# Altium PCB SEG_pressure gauge_don  V2.3.PcbDoc (part 2 of 4) (continued)
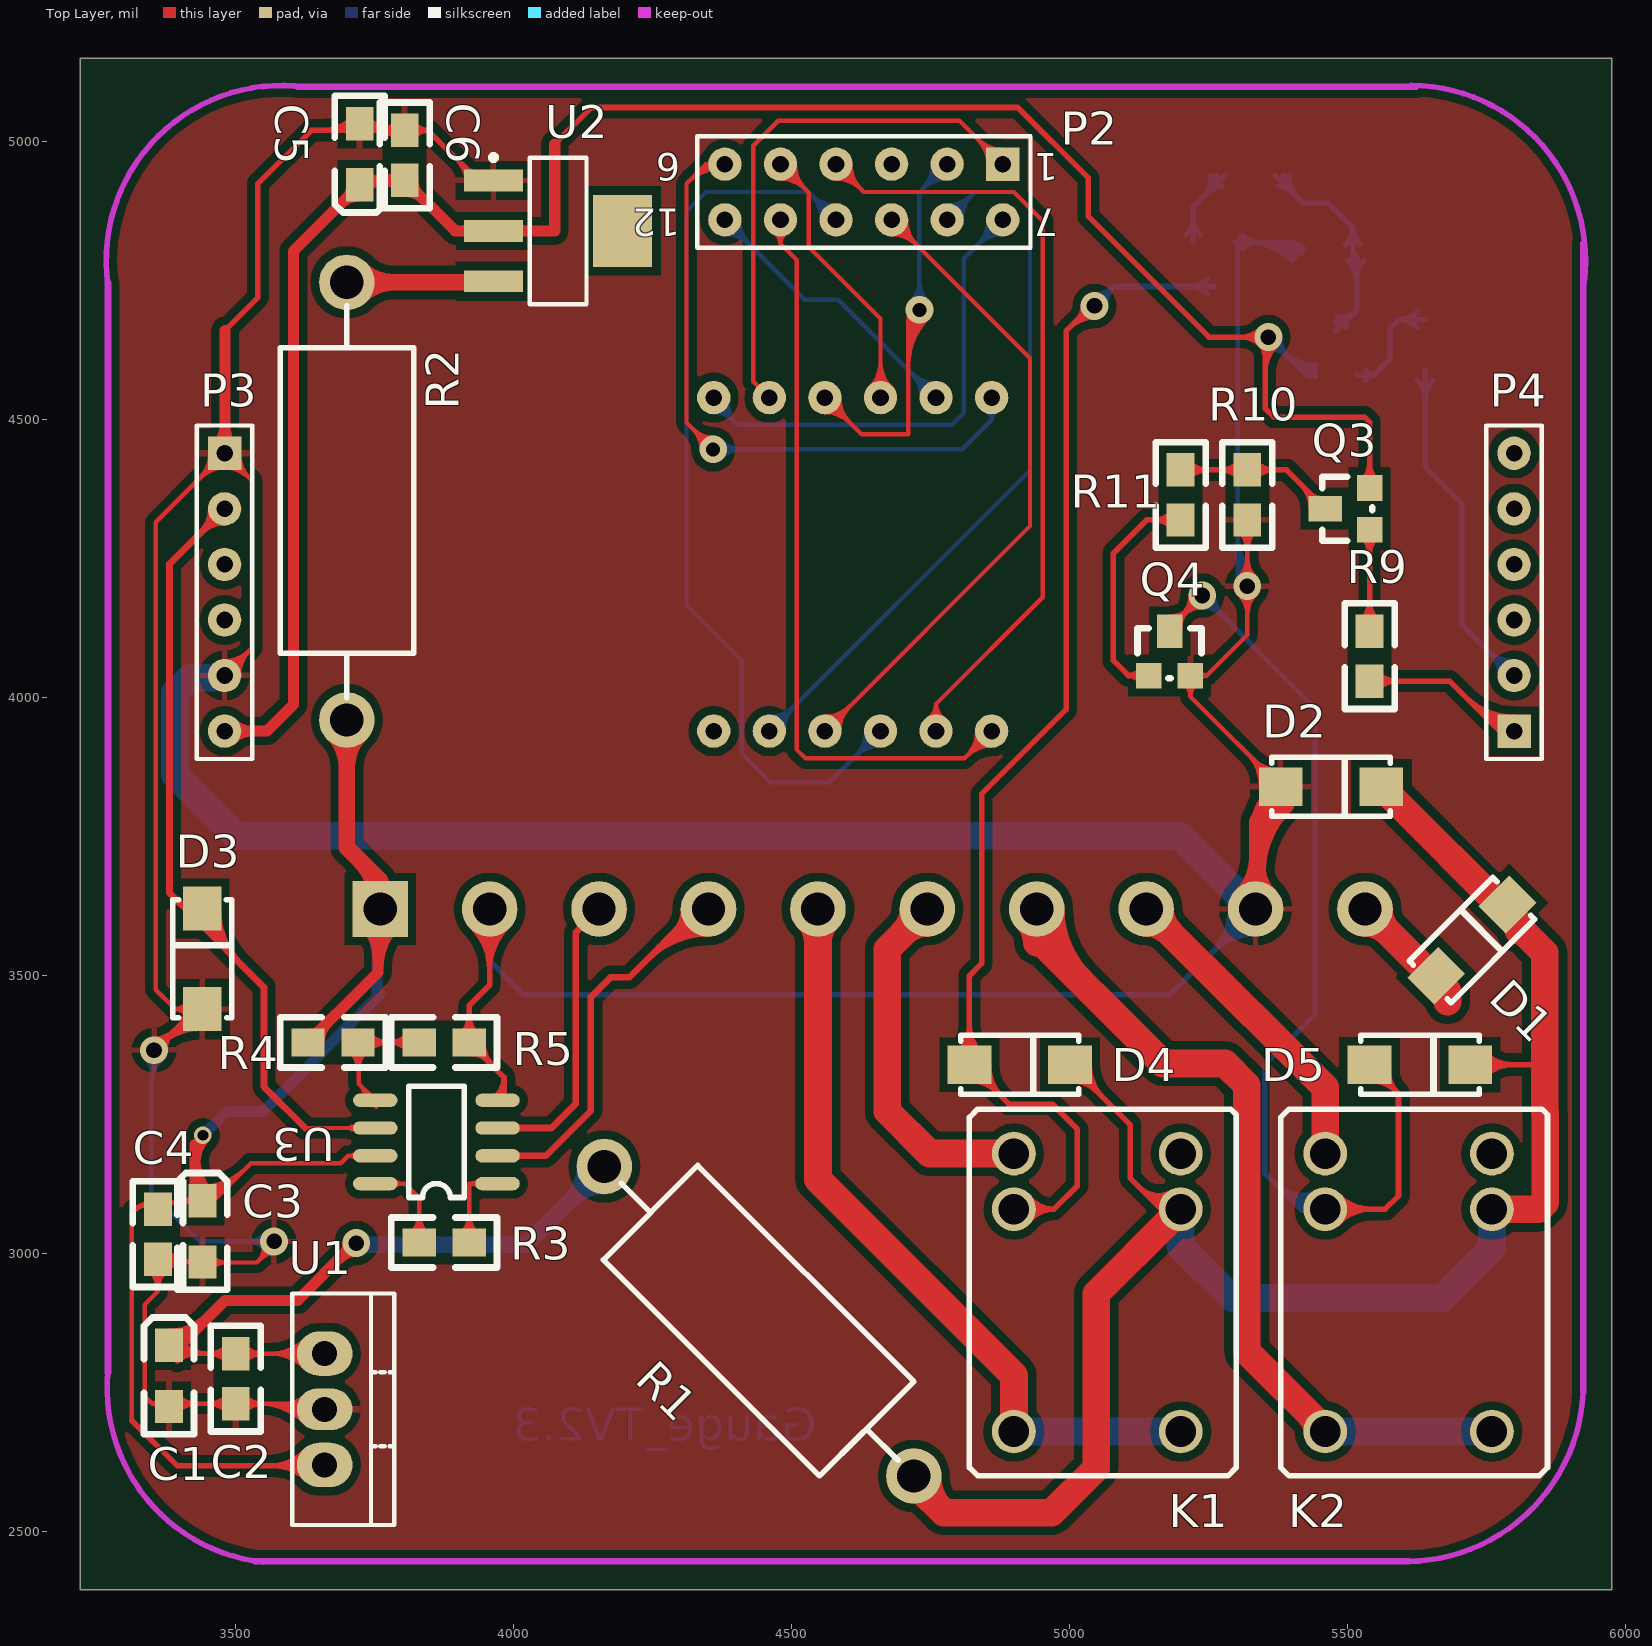
[diagram p0: Top Layer view]
## Nets (pads, with @x,y where several pads share a name; then routed paths per layer and width w, separated by ;. In a path a pad name is that pad's centre, name@x,y a point inside that pad or via, vN(x,y) a via of type N, cw(c..) or ccw(c..) an arc to the next point about the centre after c; other vN are vias at no path point) (continued)
  Top Layer w20: 3481,4471 3481,4661 ; P3.1@3465.86,4454.14 ccw(c3429.3,4490.7) 3481,4490.7 ; P3.1@3465.86,4454.14 ccw(c3429.3,4490.7) 3481,4490.7 ; P3.1@3465.86,4454.14 ccw(c3429.3,4490.7) 3481,4490.7 ; P3.1@3465.86,4454.14 ccw(c3429.3,4490.7) 3481,4490.7 ; P3.1@3465.86,4454.14 ccw(c3429.3,4490.7) 3481,4490.7 ; 3481,4485.87 ccw(c3525.87,4485.87) P3.1@3494.14,4454.14 ; 3481,4485.87 ccw(c3525.87,4485.87) P3.1@3494.14,4454.14 ; 3481,4485.87 ccw(c3525.87,4485.87) P3.1@3494.14,4454.14 ; 3481,4485.87 ccw(c3525.87,4485.87) P3.1@3494.14,4454.14 ; 3481,4485.87 ccw(c3525.87,4485.87) P3.1@3494.14,4454.14
  Top Layer w30: P1.9@5334.8,3620 5338,3623.2 5338,3778 D2.1@5380,3820 ; 5338,3683.53 cw(c5511.55,3683.53) D2.1@5388.83,3806.25 ; P1.9@5310.06,3644.75 ccw(c5242.59,3712.21) 5338,3712.21 ; P1.9@5310.06,3644.75 ccw(c5242.59,3712.21) 5338,3712.21 ; P1.9@5310.06,3644.75 ccw(c5242.59,3712.21) 5338,3712.21 ; P1.9@5310.06,3644.75 ccw(c5242.59,3712.21) 5338,3712.21 ; P1.9@5310.06,3644.75 ccw(c5242.59,3712.21) 5338,3712.21 ; 5338,3696.78 ccw(c5411.59,3696.78) P1.9@5359.55,3644.75 ; 5338,3696.78 ccw(c5411.59,3696.78) P1.9@5359.55,3644.75 ; 5338,3696.78 ccw(c5411.59,3696.78) P1.9@5359.55,3644.75 ; 5338,3696.78 ccw(c5411.59,3696.78) P1.9@5359.55,3644.75 ; 5338,3696.78 ccw(c5411.59,3696.78) P1.9@5359.55,3644.75 ; 5350.46,3790.46 ccw(c5324.89,3816.04) D2.1@5357.53,3831.62 ; 5350.46,3790.46 ccw(c5324.89,3816.04) D2.1@5357.53,3831.62 ; 5350.46,3790.46 ccw(c5324.89,3816.04) D2.1@5357.53,3831.62 ; 5338,3755.96 cw(c5439.12,3755.96) 5367.62,3827.46 ccw(c5439.12,3755.96) 5338,3755.96 ; 5340.46,3780.46 ccw(c5303.71,3817.21) 5355.64,3819.24 cw(c5303.71,3817.21) 5340.46,3780.46 ; 5350.28,3790.28 cw(c5375.08,3765.48) 5375.08,3800.55 ccw(c5375.08,3765.48) 5350.28,3790.28
  Bottom Layer w8: v1@3354,3368 3348,3362 3348,3109 3435,3022 v1(3569,3022) ; 3376,3860 3376,3966 3391,3951 ; 3431,4021 3446,4036 3465,4055 P3.5@3502,4055 ; 3440.91,4030.91 cw(c3465.38,4006.44) P3.5@3479.2,4038.17 ; 3788.57,3752 ccw(c3788.57,3797.43) 3820.69,3765.31 ; 5237.8,3717 P1.9@5334.8,3620 ; v1(5320,4201) 5302.5,4218.5 5302.5,4815 Q2.2@5297.5,4820 5400,4820 R7.1@5420,4800 ; P1.9@5334.8,3574 ccw(c5334.8,3462.95) 5256.28,3541.47 ccw(c5177.75,3620) P1.9@5288.8,3620 ; P1.9@5334.8,3582 ccw(c5334.8,3490.26) 5269.93,3555.13 ccw(c5205.06,3620) P1.9@5296.8,3620 ; P1.9@5334.8,3590 ccw(c5334.8,3517.57) 5283.59,3568.79 ccw(c5232.38,3620) P1.9@5304.8,3620 ; P1.9@5334.8,3598 ccw(c5334.8,3544.89) 5297.25,3582.44 ccw(c5259.69,3620) P1.9@5312.8,3620 ; v1@3338.15,3351.15 cw(c3314.37,3327.37) 3348,3327.37 ; v1@3338.15,3351.15 cw(c3314.37,3327.37) 3348,3327.37 ; v1@3338.15,3351.15 cw(c3314.37,3327.37) 3348,3327.37 ; 3348,3303.23 cw(c3415.77,3303.23) v1@3367.85,3351.15 ; 3348,3303.23 cw(c3415.77,3303.23) v1@3367.85,3351.15 ; 3348,3303.23 cw(c3415.77,3303.23) v1@3367.85,3351.15 ; 3348,3322.54 cw(c3396.46,3322.54) v1@3362.19,3356.81 ; 3348,3322.54 cw(c3396.46,3322.54) v1@3362.19,3356.81 ; 3348,3322.54 cw(c3396.46,3322.54) v1@3362.19,3356.81 ; 3518.3,3022 cw(c3518.3,2971.3) v1@3554.15,3007.15 ; 3518.3,3022 ccw(c3518.3,3072.7) v1@3554.15,3036.85 ; 3518.3,3022 cw(c3518.3,2971.3) v1@3554.15,3007.15 ; 3518.3,3022 ccw(c3518.3,3072.7) v1@3554.15,3036.85 ; 3518.3,3022 ccw(c3518.3,3072.7) v1@3554.15,3036.85 ; 3518.3,3022 cw(c3518.3,2971.3) v1@3554.15,3007.15 ; 3537.62,3022 cw(c3537.62,2990.62) v1@3559.81,3012.81 ; 3537.62,3022 ccw(c3537.62,3053.38) v1@3559.81,3031.19 ; 3537.62,3022 cw(c3537.62,2990.62) v1@3559.81,3012.81 ; 3537.62,3022 ccw(c3537.62,3053.38) v1@3559.81,3031.19 ; 3537.62,3022 ccw(c3537.62,3053.38) v1@3559.81,3031.19 ; 3537.62,3022 cw(c3537.62,2990.62) v1@3559.81,3012.81 ; 5256.28,3698.53 cw(c5177.75,3620) P1.9@5288.8,3620 ; 5256.28,3698.53 ccw(c5334.8,3777.05) P1.9@5334.8,3666 ; 5256.28,3698.53 cw(c5177.75,3620) P1.9@5288.8,3620 ; 5256.28,3698.53 ccw(c5334.8,3777.05) P1.9@5334.8,3666 ; 5256.28,3698.53 ccw(c5334.8,3777.05) P1.9@5334.8,3666 ; 5256.28,3698.53 ccw(c5334.8,3777.05) P1.9@5334.8,3666 ; 5256.28,3698.53 ccw(c5334.8,3777.05) P1.9@5334.8,3666 ; 5256.28,3698.53 cw(c5177.75,3620) P1.9@5288.8,3620 ; 5269.93,3684.87 cw(c5205.06,3620) P1.9@5296.8,3620 ; 5269.93,3684.87 ccw(c5334.8,3749.74) P1.9@5334.8,3658 ; 5269.93,3684.87 cw(c5205.06,3620) P1.9@5296.8,3620 ; 5269.93,3684.87 ccw(c5334.8,3749.74) P1.9@5334.8,3658 ; 5269.93,3684.87 ccw(c5334.8,3749.74) P1.9@5334.8,3658 ; 5269.93,3684.87 ccw(c5334.8,3749.74) P1.9@5334.8,3658 ; 5269.93,3684.87 ccw(c5334.8,3749.74) P1.9@5334.8,3658 ; 5269.93,3684.87 cw(c5205.06,3620) P1.9@5296.8,3620 ; 5283.59,3671.21 cw(c5232.38,3620) P1.9@5304.8,3620 ; 5283.59,3671.21 ccw(c5334.8,3722.43) P1.9@5334.8,3650 ; 5283.59,3671.21 cw(c5232.38,3620) P1.9@5304.8,3620 ; 5283.59,3671.21 ccw(c5334.8,3722.43) P1.9@5334.8,3650 ; 5283.59,3671.21 ccw(c5334.8,3722.43) P1.9@5334.8,3650 ; 5283.59,3671.21 ccw(c5334.8,3722.43) P1.9@5334.8,3650 ; 5283.59,3671.21 ccw(c5334.8,3722.43) P1.9@5334.8,3650 ; 5283.59,3671.21 cw(c5232.38,3620) P1.9@5304.8,3620 ; 5297.25,3657.56 cw(c5259.69,3620) P1.9@5312.8,3620 ; 5297.25,3657.56 ccw(c5334.8,3695.11) P1.9@5334.8,3642 ; 5297.25,3657.56 cw(c5259.69,3620) P1.9@5312.8,3620 ; 5297.25,3657.56 ccw(c5334.8,3695.11) P1.9@5334.8,3642 ; 5297.25,3657.56 cw(c5259.69,3620) P1.9@5312.8,3620 ; 5297.25,3657.56 ccw(c5334.8,3695.11) P1.9@5334.8,3642 ; 5297.25,3657.56 ccw(c5334.8,3695.11) P1.9@5334.8,3642 ; 5297.25,3657.56 cw(c5259.69,3620) P1.9@5312.8,3620 ; 5297.25,3657.56 ccw(c5334.8,3695.11) P1.9@5334.8,3642 ; 5297.25,3657.56 cw(c5259.69,3620) P1.9@5312.8,3620 ; 5302.5,4236.01 ccw(c5355.01,4236.01) v1@5317.88,4198.88 ; 5302.5,4236.01 ccw(c5355.01,4236.01) v1@5317.88,4198.88 ; 5302.5,4236.01 ccw(c5355.01,4236.01) v1@5317.88,4198.88 ; 5302.5,4255.32 ccw(c5374.32,4255.32) v1@5323.54,4204.54 ; 5302.5,4255.32 ccw(c5374.32,4255.32) v1@5323.54,4204.54 ; 5302.5,4255.32 ccw(c5374.32,4255.32) v1@5323.54,4204.54 ; 5302.5,4274.63 ccw(c5393.63,4274.63) v1@5329.19,4210.19 ; 5302.5,4274.63 ccw(c5393.63,4274.63) v1@5329.19,4210.19 ; 5302.5,4274.63 ccw(c5393.63,4274.63) v1@5329.19,4210.19 ; 5302.5,4293.95 ccw(c5412.95,4293.95) v1@5334.85,4215.85 ; 5302.5,4293.95 ccw(c5412.95,4293.95) v1@5334.85,4215.85 ; 5302.5,4293.95 ccw(c5412.95,4293.95) v1@5334.85,4215.85 ; Q2.2@5305.28,4812.22 cw(c5324.06,4793.44) 5324.06,4820 ; Q2.2@5305.28,4812.22 cw(c5324.06,4793.44) 5324.06,4820 ; Q2.2@5305.28,4812.22 cw(c5324.06,4793.44) 5324.06,4820 ; Q2.2@5305.28,4827.78 ccw(c5324.06,4846.56) 5324.06,4820 ; Q2.2@5305.28,4827.78 ccw(c5324.06,4846.56) 5324.06,4820 ; Q2.2@5305.28,4827.78 ccw(c5324.06,4846.56) 5324.06,4820 ; Q2.2@5310.94,4806.56 cw(c5343.37,4774.13) 5343.37,4820 ; Q2.2@5310.94,4806.56 cw(c5343.37,4774.13) 5343.37,4820 ; Q2.2@5310.94,4806.56 cw(c5343.37,4774.13) 5343.37,4820 ; Q2.2@5310.94,4833.44 ccw(c5343.37,4865.87) 5343.37,4820 ; Q2.2@5310.94,4833.44 ccw(c5343.37,4865.87) 5343.37,4820 ; Q2.2@5310.94,4833.44 ccw(c5343.37,4865.87) 5343.37,4820 ; Q2.2@5316.02,4820 cw(c5316.02,4701.02) R7.1@5400.15,4785.15 ; Q2.2@5316.02,4820 cw(c5316.02,4701.02) R7.1@5400.15,4785.15 ; Q2.2@5316.02,4820 cw(c5316.02,4701.02) R7.1@5400.15,4785.15 ; 5335.33,4820 cw(c5335.33,4720.33) R7.1@5405.81,4790.81 ; 5335.33,4820 cw(c5335.33,4720.33) R7.1@5405.81,4790.81 ; 5335.33,4820 cw(c5335.33,4720.33) R7.1@5405.81,4790.81 ; 5354.64,4820 cw(c5354.64,4739.64) R7.1@5411.46,4796.46 ; 5354.64,4820 cw(c5354.64,4739.64) R7.1@5411.46,4796.46 ; 5354.64,4820 cw(c5354.64,4739.64) R7.1@5411.46,4796.46 ; 5373.96,4820 cw(c5373.96,4758.96) R7.1@5417.12,4802.12 ; 5373.96,4820 cw(c5373.96,4758.96) R7.1@5417.12,4802.12 ; 5373.96,4820 cw(c5373.96,4758.96) R7.1@5417.12,4802.12 ; R7.1@5393.27,4820 cw(c5393.27,4778.27) R7.1@5422.78,4807.78 ; R7.1@5393.27,4820 cw(c5393.27,4778.27) R7.1@5422.78,4807.78 ; R7.1@5393.27,4820 cw(c5393.27,4778.27) R7.1@5422.78,4807.78 ; 3432.61,4022.61 cw(c3460.34,3994.87) 3476.01,4030.83 ccw(c3460.34,3994.87) 3432.61,4022.61 ; 3449.21,4039.21 cw(c3470.42,4018) 3482.4,4045.5 ccw(c3470.42,4018) 3449.21,4039.21
  Bottom Layer w10: P1.2@3956.85,3620 3956.85,3527.15 ; P1.9@5334.8,3620 5180.8,3466 4018,3466 3956.85,3527.15 ; P1.2@3928.97,3584.68 cw(c3883.57,3527.16) 3956.85,3527.16 ; P1.2@3928.97,3584.68 cw(c3883.57,3527.16) 3956.85,3527.16 ; P1.2@3928.97,3584.68 cw(c3883.57,3527.16) 3956.85,3527.16 ; P1.2@3928.97,3584.68 cw(c3883.57,3527.16) 3956.85,3527.16 ; P1.2@3935.17,3592.53 cw(c3899.85,3547.79) 3956.85,3547.79 ; P1.2@3935.17,3592.53 cw(c3899.85,3547.79) 3956.85,3547.79 ; P1.2@3935.17,3592.53 cw(c3899.85,3547.79) 3956.85,3547.79 ; P1.2@3935.17,3592.53 cw(c3899.85,3547.79) 3956.85,3547.79 ; P1.2@3941.36,3600.38 cw(c3916.14,3568.42) 3956.85,3568.42 ; P1.2@3941.36,3600.38 cw(c3916.14,3568.42) 3956.85,3568.42 ; P1.2@3941.36,3600.38 cw(c3916.14,3568.42) 3956.85,3568.42 ; P1.2@3941.36,3600.38 cw(c3916.14,3568.42) 3956.85,3568.42 ; 3956.85,3527.16 cw(c4030.13,3527.16) P1.2@3984.73,3584.68 ; 3956.85,3527.16 cw(c4030.13,3527.16) P1.2@3984.73,3584.68 ; 3956.85,3527.16 cw(c4030.13,3527.16) P1.2@3984.73,3584.68 ; 3956.85,3527.16 cw(c4030.13,3527.16) P1.2@3984.73,3584.68 ; 3956.85,3547.79 cw(c4013.85,3547.79) P1.2@3978.53,3592.53 ; 3956.85,3547.79 cw(c4013.85,3547.79) P1.2@3978.53,3592.53 ; 3956.85,3547.79 cw(c4013.85,3547.79) P1.2@3978.53,3592.53 ; 3956.85,3547.79 cw(c4013.85,3547.79) P1.2@3978.53,3592.53 ; 3956.85,3568.42 cw(c3997.56,3568.42) P1.2@3972.34,3600.38 ; 3956.85,3568.42 cw(c3997.56,3568.42) P1.2@3972.34,3600.38 ; 3956.85,3568.42 cw(c3997.56,3568.42) P1.2@3972.34,3600.38 ; 3956.85,3568.42 cw(c3997.56,3568.42) P1.2@3972.34,3600.38 ; 5257.98,3543.18 cw(c5334.8,3466.36) P1.9@5334.8,3575 ; 5257.98,3543.18 ccw(c5181.16,3620) P1.9@5289.8,3620 ; 5257.98,3543.18 cw(c5334.8,3466.36) P1.9@5334.8,3575 ; 5257.98,3543.18 ccw(c5181.16,3620) P1.9@5289.8,3620 ; 5257.98,3543.18 ccw(c5181.16,3620) P1.9@5289.8,3620 ; 5257.98,3543.18 cw(c5334.8,3466.36) P1.9@5334.8,3575 ; 5275.06,3560.25 cw(c5334.8,3500.5) P1.9@5334.8,3585 ; 5275.06,3560.25 ccw(c5215.31,3620) P1.9@5299.8,3620 ; 5275.06,3560.25 cw(c5334.8,3500.5) P1.9@5334.8,3585 ; 5275.06,3560.25 ccw(c5215.31,3620) P1.9@5299.8,3620 ; 5275.06,3560.25 ccw(c5215.31,3620) P1.9@5299.8,3620 ; 5275.06,3560.25 cw(c5334.8,3500.5) P1.9@5334.8,3585 ; 5292.13,3577.32 cw(c5334.8,3534.64) P1.9@5334.8,3595 ; 5292.13,3577.32 ccw(c5249.45,3620) P1.9@5309.8,3620 ; 5292.13,3577.32 cw(c5334.8,3534.64) P1.9@5334.8,3595 ; 5292.13,3577.32 ccw(c5249.45,3620) P1.9@5309.8,3620 ; 5292.13,3577.32 ccw(c5249.45,3620) P1.9@5309.8,3620 ; 5292.13,3577.32 cw(c5334.8,3534.64) P1.9@5334.8,3595
  Bottom Layer w50: P3.5@3459,4036 3446,4036 3418,4036 3391,4009 3391,3951 3391,3861 3500,3752 5198,3752 P1.9@5332,3618 ; 5283.93,3666.07 ccw(c5334.8,3716.95) P1.9@5334.8,3645 ; 5283.93,3666.07 ccw(c5334.8,3716.95) P1.9@5334.8,3645 ; 5283.93,3666.07 ccw(c5334.8,3716.95) P1.9@5334.8,3645 ; 5295.52,3654.48 cw(c5261.05,3620) P1.9@5309.8,3620 ; 5295.52,3654.48 cw(c5261.05,3620) P1.9@5309.8,3620 ; 5295.52,3654.48 cw(c5261.05,3620) P1.9@5309.8,3620
CONTROL1: P4.2 R6.2 | length 1617
  Bottom Layer w10: R6.2@5640,4590 5640,4415 5706,4349 5706,4316 ; 5706,4329 5706,4316 ; P4.2@5800,4040 5797,4040 5706,4131 5706,4316 ; R6.2@5625.86,4570.86 cw(c5591.72,4536.72) 5640,4536.72 ; R6.2@5625.86,4570.86 cw(c5591.72,4536.72) 5640,4536.72 ; R6.2@5625.86,4570.86 cw(c5591.72,4536.72) 5640,4536.72 ; 5640,4536.72 cw(c5688.28,4536.72) R6.2@5654.14,4570.86 ; 5640,4536.72 cw(c5688.28,4536.72) R6.2@5654.14,4570.86 ; 5640,4536.72 cw(c5688.28,4536.72) R6.2@5654.14,4570.86 ; 5752.2,4084.8 ccw(c5800,4132.6) P4.2@5800,4065 ; 5752.2,4084.8 ccw(c5800,4132.6) P4.2@5800,4065 ; 5752.2,4084.8 ccw(c5800,4132.6) P4.2@5800,4065 ; 5752.2,4084.8 ccw(c5800,4132.6) P4.2@5800,4065 ; 5752.2,4084.8 ccw(c5800,4132.6) P4.2@5800,4065 ; 5759.44,4077.56 cw(c5721.89,4040) P4.2@5775,4040 ; 5759.44,4077.56 cw(c5721.89,4040) P4.2@5775,4040 ; 5759.44,4077.56 cw(c5721.89,4040) P4.2@5775,4040 ; 5759.44,4077.56 cw(c5721.89,4040) P4.2@5775,4040 ; 5759.44,4077.56 cw(c5721.89,4040) P4.2@5775,4040 ; 5769.27,4067.73 ccw(c5800,4098.46) P4.2@5800,4055 ; 5769.27,4067.73 ccw(c5800,4098.46) P4.2@5800,4055 ; 5769.27,4067.73 ccw(c5800,4098.46) P4.2@5800,4055 ; 5769.27,4067.73 ccw(c5800,4098.46) P4.2@5800,4055 ; 5769.27,4067.73 ccw(c5800,4098.46) P4.2@5800,4055 ; 5776.51,4060.49 cw(c5756.03,4040) P4.2@5785,4040 ; 5776.51,4060.49 cw(c5756.03,4040) P4.2@5785,4040 ; 5776.51,4060.49 cw(c5756.03,4040) P4.2@5785,4040 ; 5776.51,4060.49 cw(c5756.03,4040) P4.2@5785,4040 ; 5776.51,4060.49 cw(c5756.03,4040) P4.2@5785,4040
CONTROL2: P4.1 R9.2 | length 1343.9
  Top Layer w10: R9.2@5540,4030 5684,4030 5774,3940 P4.1@5800,3940 ; R9.2@5554.14,4015.86 cw(c5588.28,3981.72) 5588.28,4030 ; R9.2@5554.14,4015.86 cw(c5588.28,3981.72) 5588.28,4030 ; R9.2@5554.14,4015.86 cw(c5588.28,3981.72) 5588.28,4030 ; R9.2@5554.14,4044.14 ccw(c5588.28,4078.28) 5588.28,4030 ; R9.2@5554.14,4044.14 ccw(c5588.28,4078.28) 5588.28,4030 ; R9.2@5554.14,4044.14 ccw(c5588.28,4078.28) 5588.28,4030 ; 5712.94,4001.06 ccw(c5800,4088.12) P4.1@5800,3965 ; 5712.94,4001.06 ccw(c5800,4088.12) P4.1@5800,3965 ; 5712.94,4001.06 ccw(c5800,4088.12) P4.1@5800,3965 ; 5730.01,3983.99 ccw(c5800,4053.98) P4.1@5800,3955 ; 5730.01,3983.99 ccw(c5800,4053.98) P4.1@5800,3955 ; 5730.01,3983.99 ccw(c5800,4053.98) P4.1@5800,3955 ; 5747.08,3966.92 ccw(c5800,4019.84) P4.1@5800,3945 ; 5747.08,3966.92 ccw(c5800,4019.84) P4.1@5800,3945 ; 5747.08,3966.92 ccw(c5800,4019.84) P4.1@5800,3945 ; 5764.15,3949.85 ccw(c5800,3985.7) P4.1@5800,3935 ; 5764.15,3949.85 ccw(c5800,3985.7) P4.1@5800,3935 ; 5764.15,3949.85 ccw(c5800,3985.7) P4.1@5800,3935
IN1: P1.3 U3.3 | length 617.5
  Top Layer w12: U3.3@3971,3226 4068,3226 4112,3270 4112,3578.3 P1.3@4153.7,3620 ; U3.3@4003.24,3221.76 cw(c4013.49,3211.51) 4013.49,3226 ; U3.3@4003.24,3221.76 cw(c4013.49,3211.51) 4013.49,3226 ; U3.3@4003.24,3221.76 cw(c4013.49,3211.51) 4013.49,3226 ; U3.3@4003.24,3221.76 cw(c4013.49,3211.51) 4013.49,3226 ; U3.3@4003.24,3230.24 ccw(c4013.49,3240.49) 4013.49,3226 ; U3.3@4003.24,3230.24 ccw(c4013.49,3240.49) 4013.49,3226 ; U3.3@4003.24,3230.24 ccw(c4013.49,3240.49) 4013.49,3226 ; U3.3@4003.24,3230.24 ccw(c4013.49,3240.49) 4013.49,3226
IN2: P1.4 U3.2 | length 2341.9
  Top Layer w12: U3.2@3971,3176 4058,3176 4139,3257 4139,3462 4174,3497 4208,3497 4331,3620 P1.4@4350.55,3620 ; U3.2@4003.24,3171.76 cw(c4013.49,3161.51) 4013.49,3176 ; U3.2@4003.24,3171.76 cw(c4013.49,3161.51) 4013.49,3176 ; U3.2@4003.24,3171.76 cw(c4013.49,3161.51) 4013.49,3176 ; U3.2@4003.24,3171.76 cw(c4013.49,3161.51) 4013.49,3176 ; U3.2@4003.24,3180.24 ccw(c4013.49,3190.49) 4013.49,3176 ; U3.2@4003.24,3180.24 ccw(c4013.49,3190.49) 4013.49,3176 ; U3.2@4003.24,3180.24 ccw(c4013.49,3190.49) 4013.49,3176 ; U3.2@4003.24,3180.24 ccw(c4013.49,3190.49) 4013.49,3176 ; 4242.06,3531.06 cw(c4350.55,3422.57) P1.4@4350.55,3576 ; 4242.06,3531.06 cw(c4350.55,3422.57) P1.4@4350.55,3576 ; 4242.06,3531.06 cw(c4350.55,3422.57) P1.4@4350.55,3576 ; 4242.06,3531.06 cw(c4350.55,3422.57) P1.4@4350.55,3576 ; 4262.55,3551.55 cw(c4350.55,3463.54) P1.4@4350.55,3588 ; 4262.55,3551.55 cw(c4350.55,3463.54) P1.4@4350.55,3588 ; 4262.55,3551.55 cw(c4350.55,3463.54) P1.4@4350.55,3588 ; 4262.55,3551.55 cw(c4350.55,3463.54) P1.4@4350.55,3588 ; 4283.03,3572.03 cw(c4350.55,3504.51) P1.4@4350.55,3600 ; 4283.03,3572.03 cw(c4350.55,3504.51) P1.4@4350.55,3600 ; 4283.03,3572.03 cw(c4350.55,3504.51) P1.4@4350.55,3600 ; 4283.03,3572.03 cw(c4350.55,3504.51) P1.4@4350.55,3600 ; 4289.26,3578.26 ccw(c4247.53,3620) P1.4@4306.55,3620 ; 4289.26,3578.26 ccw(c4247.53,3620) P1.4@4306.55,3620 ; 4289.26,3578.26 ccw(c4247.53,3620) P1.4@4306.55,3620 ; 4289.26,3578.26 ccw(c4247.53,3620) P1.4@4306.55,3620 ; 4303.52,3592.52 cw(c4350.55,3545.48) P1.4@4350.55,3612 ; 4303.52,3592.52 cw(c4350.55,3545.48) P1.4@4350.55,3612 ; 4303.52,3592.52 cw(c4350.55,3545.48) P1.4@4350.55,3612 ; 4303.52,3592.52 cw(c4350.55,3545.48) P1.4@4350.55,3612